# Allegro board rpi-cm4-carrierboard-v1_00-0a.brd (continued)
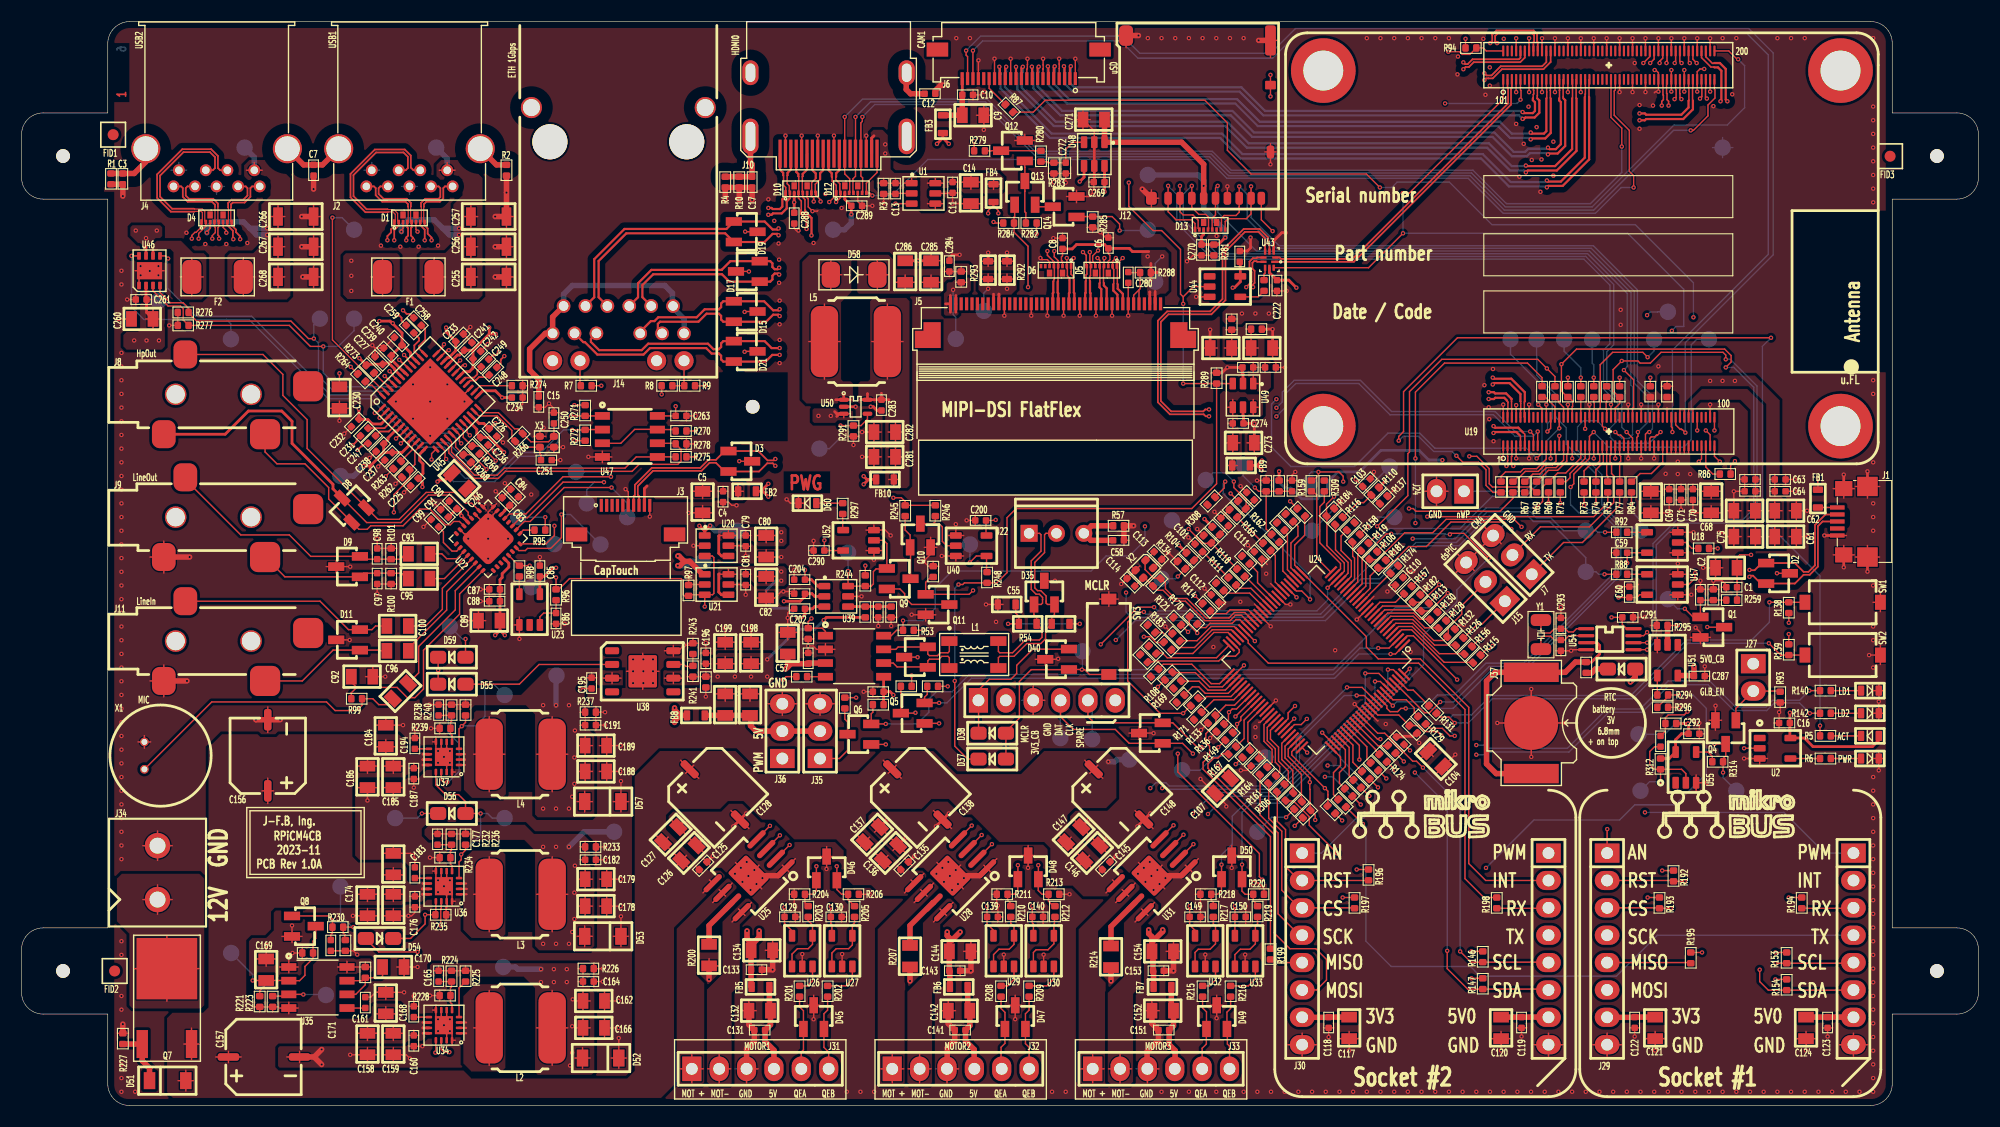
[diagram p0: board, top side]
## Routing (per net, layer and track width the routed paths; a pad name or vN(x,y) marks a point on that pad's centre or on a via; arc(x,y) is an arc through that point) (continued)
  TOP w0.127: U45.14 38.8,61.25 39.3,60.75 39.3,60.1 v1(39.4,60) ; v1(51,64) R271.1 U47.1
  BOTTOM w0.127: v1(39.4,60) 41.2,58.2 43.7,58.2 46.1,60.6 48.2,60.6 49.4,61.8 49.4,63.3 50.1,64 v1(51,64)
N33870: length 28
  TOP w0.127: U47.6 60.64,61.46 R278.2 61.2,60.9 61.2,59.8 60.9,59.5 57.3,59.5 56.65,58.85 44.9,58.85 44.25,58.2 42,58.2 39.65,60.55 39.65,61.15 39.18,61.62 U45.15
N33874: length 23.9
  TOP w0.127: U45.16 39.53,61.97 39.9,61.6 39.9,60.65 42.05,58.5 44.15,58.5 44.8,59.15 56,59.15 57.04,60.19 U47.5 59.01,60.2 R275.1
N34072: length 13.1
  TOP w0.127: R89.1 v1(157.4,51.7) ; U19.100 v1(157.1,62.65)
  SIG_INNER2 w0.127: v1(157.4,51.7) 157.1,52 v1(157.1,62.65)
N35185: length 9.8
  TOP w0.127: U45.24 42.35,64.8 42.85,64.3 44.25,64.3 45.75,62.8 46.06,62.8 R266.2 47.26,61.6 48.9,61.6 X3.1 C250.1
N35189: length 9.2
  TOP w0.127: C251.1 48.2,60.39 48.1,60.49 X3.3 46.35,61.1 R266.1 45.5,61.95 45.5,62.65 44.15,64 42.43,64 U45.23
N50697: length 43.5
  TOP w0.127: v1(28,70.45) 26.8,70.45 24.85,72.4 R277.2 15,72.9 15,73.95 14.75,74.2 13.6,74.2 12.2,75.6 U46.3 ; U45.20 41.34,62.97 41.34,62.46 v1(41.6,62.2)
  BOTTOM w0.127: TP35.1 30.86,71.91 29.4,70.45 v1(28,70.45) 28,68 29.3,66.7 35.1,66.7 39,62.8 41,62.8 v1(41.6,62.2)
N50727: length 53.9
  TOP w0.127: v1(44,59.85) 42.65,61.2 R269.1 40.99,62.01 40.99,62.61 U45.19 ; U46.8 v1(10.2,78.85)
  BOTTOM w0.127: TP34.1 19.43,72.52 19,72.95 ; v1(44,59.85) 44,59 43.5,58.5 41.8,58.5 39.2,61.1 36.9,61.1 32.4,65.6 28.45,65.6 21.1,72.95 19,72.95 ; v1(10.2,78.85) 10.2,74.1 11.35,72.95 19,72.95
N50819: length 46.8
  TOP w0.127: U46.5 13.35,78.85 v1(13.6,78.6) ; U45.17 40.28,61.91 40.28,61.12 R268.1 41.8,60.4 v1(43.15,59.05)
  BOTTOM w0.127: v1(13.6,78.6) 13.55,78.55 13.55,75.85 ; v1(43.15,59.05) 42.4,59.8 41.3,59.8 39.6,61.5 37.2,61.5 32.75,65.95 28.65,65.95 21.35,73.25 16.15,73.25 13.55,75.85 ; TP36.1 12.7,75 13.55,75.85
N50831: length 40
  TOP w0.127: U45.18 40.64,62.26 40.64,61.61 v1(40.8,61.45) ; U46.4 12.85,75.45 13.8,74.5 15,74.5 15.5,74 R276.2 15.5,73.55 16.25,72.8 25,72.8 26.62,71.17 v1(27.12,71.17)
  BOTTOM w0.127: TP37.1 27.12,72.47 v1(27.12,71.17) 27.55,70.75 27.55,67.7 28.95,66.3 34.9,66.3 38.8,62.4 39.85,62.4 v1(40.8,61.45)
N60225: length 6.2
  TOP w0.127: F2.1 15.8,78.65 ; F2.1 16.87,76.9 ; F2.1 15.8,75.15 ; F2.1 14.73,76.9
  TOP w0.254: U46.6 12.2,79.45
N60240: length 6.5
  TOP w0.127: F1.1 34.57,76.9 ; F1.1 32.43,76.9 ; F1.1 33.5,78.65 ; F1.1 33.5,75.15
  TOP w0.254: U46.7 11.55,79.65 11.5,79.7
  vias: v1(10.6,81.2) v1(11.55,80.5) v1(12.55,81.2) v1(30.6,78.4) v1(30.6,77) v1(30.6,75.6)
N112417: length 7.4
  TOP w0.127: R270.1 60.57,62.73 U47.7 58.98,62.75 56.9,62.75 55.61,61.46 U47.3
N1457101: length 2.4
  TOP w0.127: R7.1 51.82,66.88 J14.14
N1457441: length 3.4
  TOP w0.127: R8.2 R9.1 61.48,66.82 J14.16
N1460716: length 26.5
  TOP w0.508: J14.1 49.28,73.18 J14.7 48.61,71.66 47.15,70.2 47.15,68.25 48,67.4 C15.1
  BOTTOM w0.508: J14.12 61.5,71.68 61.5,73 60.46,74.04 J14.6 60.4,74.26 60.4,75.4 59.7,76.1 51.1,76.1 50.3,75.3 J14.1
N1463547: length 2.8
  TOP w0.127: R5.2 D16.1
N1465792: length 2.8
  TOP w0.127: R6.2 170.7,32.2
N1465804: length 2.8
  TOP w0.127: R6.1 166.41,32.2 U2.4
N1480866: length 1.5
  TOP w0.127: U22.25 46.25,53.1 46.55,53.4 R95.1
N1481772: length 3.6
  TOP w0.127: U22.10 40.38,51.45 39.95,51.45 39.15,52.25 39.15,53.25 C99.2
N1481776: length 3.6
  TOP w0.127: C93.2 39,51.2 39.45,50.75 40.39,50.75 U22.11
N1481780: length 4.4
  TOP w0.127: C95.2 39.25,48.9 U22.12
N1481784: length 9.6
  TOP w0.127: C100.1 37.5,44.5 39.05,46.05 39.05,48 U22.13
N1481788: length 10.7
  TOP w0.127: U22.14 39.45,47.69 39.45,45.98 35.9,42.43 C96.1
N1483323: length 1.7
  TOP w0.127: R98.2 U23.5
N1489419: length 3.6
  TOP w0.127: R96.2 C86.2 48.45,45.7 48.1,45.35 U23.3
N1490066: length 3.5
  TOP w0.127: U19.95 156.3,59.25 156.95,58.6 R86.2
N1504962: length 10.7
  TOP w0.127: 84.07,83.7 U1.4 ; U1.4 85.53,83.7 ; U1.4 84.8,83.22 ; FB4.1 90.85,85.5 ; FB4.1 90.2,85.02 ; FB4.1 90.2,85.98 ; FB4.1 89.55,85.5 ; U1.6 84.8,86.08 ; U1.6 85.53,85.6 ; U1.6 84.07,85.6 ; C14.1 88.1,86.38 ; C14.1 87.2,85.7 ; C14.1 88.1,85.02 ; C14.1 89,85.7 ; C11.2 86.88,85.7 ; C11.2 85.92,85.7 ; C11.2 86.4,86.18
N1516660: length 1.2
  TOP w0.127: U43.8 115.4,77.25 115.3,77.15 R261.1
N1527044: length 5.2
  TOP w0.127: R84.2 149.45,57.9 150.2,58.65 151.25,58.65 152.3,59.7 U19.75
N1543639: length 5.6
  TOP w0.127: J5.36 103.7,75.7 ; 103.7,75.7 103.8,75.8 R288.2 102.75,77.3 C280.2 ; 103.7,75.7 103.2,75.2 J5.35
N1563208: length 12.9
  TOP w0.127: 111.62,70.3 C277.1 ; C277.1 112.3,69.4 ; C277.1 112.3,71.2 ; C277.1 112.98,70.3 ; R286.2 112.83,72 ; R286.2 111.77,72 ; R286.2 112.3,71.52 ; C275.2 114.78,68.5 ; C275.2 114.3,68.02 ; C275.2 114.3,68.98 ; 114.1,71.52 R287.2 113.62,72.05 ; 114.3,67.73 U49.1 114.78,67 ; C276.2 115.4,68.98 ; C276.2 115.4,68.02 ; C276.2 114.92,68.5 ; C279.1 114.1,71.2 ; C279.1 113.42,70.3 ; C279.1 114.1,69.4 ; C279.1 114.78,70.3
N1563658: length 10.7
  TOP w0.127: 111.87,59.4 FB9.2 ; FB9.2 112.35,58.75 ; FB9.2 112.35,60.05 ; FB9.2 112.83,59.4 ; C273.1 113.08,61.5 ; C273.1 112.4,60.6 ; C273.1 111.72,61.5 ; C273.1 112.4,62.4 ; U49.6 114.78,64.8 ; U49.6 114.3,64.07 ; U49.6 114.3,65.53 ; 112.4,64.07 U49.4 ; U49.4 111.92,64.8 ; U49.4 112.4,65.53 ; C274.2 112.4,63.78 ; C274.2 112.4,62.82 ; C274.2 111.92,63.3
N1566337: length 22.2
  TOP w0.127: 80.42,60.2 C281.1 ; C281.1 81.78,60.2 ; C281.1 81.1,59.3 ; C281.1 81.1,61.1 ; C282.1 81.78,62.5 ; C282.1 81.1,63.4 ; C282.1 80.42,62.5 ; C282.1 81.1,61.6 ; 80.35,67.42 L5.1 ; L5.1 81.8,70.9 ; L5.1 80.35,74.38 ; L5.1 78.9,70.9 ; 80.95,57.45 FB10.2 ; FB10.2 80.95,58.75 ; FB10.2 80.47,58.1 ; FB10.2 81.43,58.1
  TOP w0.254: 79.8,66.1 C283.2 ; C283.2 U50.5 ; C283.2 80.5,65.5 ; 78.5,66.05 U50.5 ; U50.5 77.87,65.5
N1566627: length 16.5
  TOP w0.127: 74.51,67.42 L5.2 ; L5.2 73.06,70.9 ; L5.2 74.51,74.38 ; L5.2 75.96,70.9 ; 74.07,77.1 D58.1 ; D58.1 76.13,77.1 ; D58.1 75.1,75.72 ; D58.1 75.1,78.48
  TOP w0.254: 75.55,65.5 U50.1 ; U50.1 76.3,66 ; U50.1 76.93,65.5
N1567374: length 14.1
  TOP w0.127: D58.2 79.42,78.48 ; D58.2 80.45,77.1 ; D58.2 79.42,75.72 ; D58.2 78.39,77.1 ; C285.1 85.3,76.4 ; C285.1 84.4,75.72 ; C285.1 83.5,76.4 ; C285.1 84.4,77.08 ; 85.62,77.4 C284.2 ; C284.2 86.58,77.4 ; C284.2 86.1,76.92 ; R290.2 87.73,77.4 ; R290.2 86.67,77.4 ; R290.2 87.2,77.88 ; 81.1,76.4 C286.1 ; C286.1 82.9,76.4 ; C286.1 82,77.08 ; C286.1 82,75.72
N1589492: length 8.8
  TOP w0.127: C4.2 65.1,57.48 ; C4.2 64.62,57 ; C4.2 65.58,57 ; 66.02,57 FB2.1 ; FB2.1 66.98,57 ; FB2.1 66.5,56.35 ; FB2.1 66.5,57.65 ; C5.1 63.2,57.68 ; C5.1 62.3,57 ; C5.1 64.1,57 ; C5.1 63.2,56.32
  TOP w0.254: J3.9 57.8,57.25 58.05,57.5
N1590951: length 5.6
  TOP w0.127: R280.1 95.16,87.6 95.26,87.5 R283.1 C272.1 96.9,88.75 97.55,89.4 U48.3
N1591752: length 1.7
  TOP w0.127: Q14.3 94.25,83.41 Q13.2
N1592965: length 5.8
  TOP w0.127: R282.1 93.2,82.85 93.1,82.95 93.1,84.85 93.11,84.86 Q13.3 93.11,87.06 93.1,87.07 Q12.1
N1593115: length 5.2
  TOP w0.127: R279.1 89.95,88.6 89.96,88.61 Q12.3 94.05,88.61 94.06,88.6 R280.2
N1597435: length 88.3
  TOP w0.127: v1(156.3,62.65) 156.7,62.25 U19.97 ; v1(126.05,85.2) 124.8,86.45 114.1,86.45 111.9,88.65 111.9,91.2 109.8,93.3 95,93.3 93.89,92.19 R87.2
  SIG_INNER2 w0.127: v1(155.15,73.15) 155.15,65.3 156.3,64.15 v1(156.3,62.65)
  BOTTOM w0.127: v1(155.15,73.15) 155.15,76.35 149.75,81.75 136.45,81.75 132.5,85.7 127.65,85.7 127.15,85.2 v1(126.05,85.2)
N1609412: length 6.6
  TOP w0.127: R61.2 137.3,58.39 137.71,58.8 139.1,58.8 139.4,59.1 140.6,59.1 141.5,60 U19.21
N1617512: length 4.5
  TOP w0.127: R166.2 113.97,33.04 113.97,33.6 113.8,33.77 113.8,35.55 U24.62
N1628548: length 2.1
  TOP w0.127: U18.2 154.45,52.25 155,51.7 R89.2
N1628552: length 1.9
  TOP w0.127: R92.1 U18.4
N1630350: length 1.8
  TOP w0.127: J1.5 167.63,55.5 FB1.1
N1631796: length 17.4
  TOP w0.127: U19.92 v1(155.5,62.65) ; U17.2 154.7,48.35 155.3,48.95 v1(155.3,49.4)
  SIG_INNER2 w0.127: v1(155.5,62.65) 155.5,61.5 155,61 155,59.4 155.65,58.75 155.65,52.8 155.3,52.45 v1(155.3,49.4)
N1633388: length 10.4
  TOP w0.127: 41.95,7.2 L2.1 ; L2.1 43.4,3.72 ; L2.1 43.4,10.68
  TOP w0.2: U34.3 41.25,7.7 ; 41.25,7.2 U34.2 ; U34.1 41.25,6.7
N1646289: length 5.9
  TOP w0.127: Q4.1 159.09,36.85 J27.2 163.14,38.46 R93.1
N1652499: length 1.9
  TOP w0.127: R88.1 U17.4
N1661515: length 14.4
  TOP w0.127: D40.2 97.19,42.35 93.85,42.35 92.35,40.85 92.35,40.1 91.8,39.55 89.8,39.55 88.8,38.55 J28.1 88.81,37.59 D38.2
N1661596: length 2.4
  TOP w0.127: R261.2 114.75,75.05 U44.4
N1664018: length 4
  TOP w0.254: R249.1 C201.1 R247.1 U39.4
N1664704: length 1.4
  TOP w0.127: U34.9 C168.2
N1666345: length 4
  TOP w0.127: C165.1 R224.1 39.9,11 39.8,10.9 R228.2 39.8,9.55 39.95,9.4 U34.5
N1668031: length 5
  TOP w0.127: v1(88,50.4) 88.6,51 U40.4 89.55,49.55 R248.1
  BOTTOM w0.127: v1(88,50.4) 88,51.11 88.01,51.12 TP10.1
N1668719: length 10.5
  TOP w0.127: 41.95,19.6 L3.1 ; L3.1 43.4,23.08 ; L3.1 43.4,16.12
  TOP w0.2: U36.1 41.3,19.6 ; U36.3 41.25,20.6 ; 41.3,20.1 U36.2
N1668789: length 1.7
  TOP w0.127: U15.4 72.91,39.79 R55.2
N1669267: length 3.9
  TOP w0.127: C177.1 R232.1 39.9,23.7 39.8,23.6 R234.2 39.8,22.4 39.95,22.25 U36.5
N1669411: length 1.3
  TOP w0.127: C183.2 U36.9
N1669891: length 6
  TOP w0.127: R245.2 82,53.4 82.46,52.94 82.46,51.8 82.5,51.76 Q9.3
N1669929: length 6.6
  TOP w0.127: Q9.2 81.51,47.94 81.95,47.5 81.95,47.15 82.6,46.5 86.09,46.5 Q11.3
N1670581: length 11.5
  TOP w0.127: 43.4,29.12 L4.1 ; L4.1 41.95,32.6 ; L4.1 43.4,36.08 ; L4.1 44.85,32.6
  TOP w0.2: U37.3 41.15,32.6 ; U37.1 41.15,31.6 ; 41.15,32.1 U37.2
N1671018: length 5.7
  TOP w0.127: R246.2 84.8,54.2 84.6,54 ; 84.6,54 85.15,54 85.45,53.7 85.45,52.35 85.85,51.95 U40.2 ; 84.6,54 Q10.3
N1671129: length 3.8
  TOP w0.127: C192.1 R238.1 39.9,35.65 39.8,35.55 R239.2 39.8,34.5 39.95,34.35 U37.5
N1671273: length 1.3
  TOP w0.127: C194.2 U37.9
N1677258: length 3
  TOP w0.127: U38.7 61.47,40.93 61.65,40.75 62.25,40.75 R241.1 R243.2
N1679934: length 6.8
  TOP w0.127: U24.72 117.25,33.35 117.25,32.25 118.77,30.73 118.77,28.24 R163.2
N1682607: length 2.8
  TOP w0.127: R142.2 170.7,36.4
N1682883: length 2.8
  TOP w0.127: R140.2 170.7,38.5
N1695805: length 2.4
  TOP w0.127: R297.2 73.75,55.9
N1695881: length 1.5
  TOP w0.127: R297.1 76.2,53.45 U52.4
N1699041: length 5.5
  TOP w0.508: D51.1 11.88,3.47 11.2,4.14 Q7.1 R227.2
N1722142: length 1.7
  TOP w0.127: U35.5 31.89,9.04 C171.1
N1725311: length 7
  TOP w0.127: U35.6 31.01,10.31 31.9,11.2 R222.1 ; R222.1 33.35,11.85 33.5,12 C170.1 ; R222.1 31.63,11.58 U35.7
N1728539: length 15.1
  TOP w0.127: C169.1 v1(21.45,11.6) ; C169.1 24.78,11.6 U35.2 25.8,11.58 26.3,12.08 26.3,12.9 27.05,13.65 R229.2 27.05,15.25 27.3,15.5 Q8.3 ; C169.1 22.7,11.25 22.1,10.65 R221.1
  BOTTOM w0.127: v1(21.45,11.6) 21.45,12.15 TP19.1
N1738779: length 5.9
  TOP w0.127: C172.2 28.7,15.85 28.85,16 R230.2 28.85,17.3 28.56,17.59 Q8.1
N1779373: length 10.5
  TOP w0.127: 92.25,46.5 C55.2 92.25,45.7 92.55,45.4 R54.2 v1(91.55,44.7) ; 97.25,44.7 v1(98.2,44.7)
  BOTTOM w0.127: v1(98.2,44.7) v1(91.55,44.7)
N1801148: length 125.2
  TOP w0.127: v1(30.8,16.55) R230.1 29.85,16 30,15.85 30,15.4 R231.2 ; U24.31 v1(118.32,47.17)
  SIG_INNER2 w0.127: v1(30.8,16.55) 31.7,17.45 31.7,39.75 36.5,44.55 41.95,44.55 43.8,42.7 59.65,42.7 60.75,41.6 66.95,41.6 68.6,43.25 77.25,43.25 77.6,42.9 93.05,42.9 94.2,44.05 101.95,44.05 103.55,42.45 105.05,42.45 108,45.4 115.3,45.4 117.07,47.17 v1(118.32,47.17)
  BOTTOM w0.127: TP62.1 29.6,20.31 29.6,17.65 30.7,16.55 v1(30.8,16.55)
N1805591: length 1.8
  TOP w0.127: U51.4 R294.2
N1805595: length 145.9
  TOP w0.127: D59.1 v1(41.2,43.3) ; v1(153.8,38.1) R294.1 152.8,37.95 R296.1
  SIG_INNER2 w0.127: v1(41.2,43.3) 41.95,43.3 43.25,42 51.15,42 73.95,19.2 111.2,19.2 114.15,22.15 120.4,22.15 121.15,22.9 135.05,22.9 v1(135.9,22.05)
  BOTTOM w0.127: v1(135.9,22.05) 140.35,26.5 148.3,26.5 149.7,27.9 153.45,27.9 156.35,30.8 156.35,36.85 155.1,38.1 v1(153.8,38.1) ; v1(41.2,43.3) 40.9,43.3 TP63.1
N1829775: length 5.7
  TOP w0.127: Y1.2 141,44 141.15,43.85 141.85,43.85 142.25,44.25 C293.2 143.25,44.25 143.55,43.95 144,43.95 144.3,44.25 U54.1
N1829787: length 5.6
  TOP w0.127: U54.2 143.6,43.6 143.2,43.2 C295.2 142.25,43.2 141.9,43.55 141.2,43.55 141,43.35 Y1.1
N1836528: length 19.9
  TOP w0.127: v1(154.6,36.55) 154.3,36.25 152.81,36.25 152.55,35.99 R313.1 152.55,34.75 C294.1 ; v1(150.85,43.92) 150.53,43.6 U54.7
  SIG_INNER2 w0.127: v1(154.6,36.55) 154.6,40.17 v1(150.85,43.92)
  BOTTOM w0.127: v1(154.6,36.55) 152.5,34.45 TP15.1
N1837103: length 10.3
  TOP w0.127: R312.1 151.55,31.2 151.1,31.65 151.1,32.85 151.55,33.3 C294.2 ; R312.1 154.05,31.2 154.45,30.8 U55.2 ; R312.1 v1(152.1,30.05)
  BOTTOM w0.127: TP16.1 151.08,30.05 v1(152.1,30.05)
N1837525: length 2.2
  TOP w0.127: U55.4 156.5,32.8 156.9,32.4 R314.1
N1839918: length 25.9
  TOP w0.254: R315.2 145.7,41.15 146.45,41.9 146.45,42.7 146.2,42.95 U54.3
  TOP w0.508: R315.2 144.2,41.15 143.25,40.2 J37.1 136.75,40.2 135.95,39.4 135.95,31.7 136.85,30.8 J37.2
N1840337: length 2.2
  TOP w0.508: D61.2 147.2,40.51 146.06,40.51 145.7,40.15 R315.1
N1856740: length 7.1
  TOP w0.127: U24.48 111.97,43.9 110.65,43.9 108.7,41.95 107.05,41.95 R122.2
N1857222: length 4.4
  TOP w0.127: U24.55 112.24,37.95 109.97,37.95 109.8,37.77 109.24,37.77 R123.2
N1857463: length 54.7
  TOP w0.127: U24.3 127.72,43.27 126.9,42.45 v1(125.9,42.45) ; R190.2 79,36.5 78.85,36.35 Q6.2 v1(80.2,35.41)
  BOTTOM w0.127: v1(125.9,42.45) 124.2,42.45 121.75,40 87.95,40 86.35,38.4 84.9,38.4 84.2,37.7 84.2,36.5 83.11,35.41 v1(80.2,35.41)
N1857568: length 48.4
  TOP w0.127: v1(85.15,37.36) Q5.2 83.8,37.9 84.05,38.15 R177.2 ; U24.1 127.5,41.9 v1(127.05,41.9)
  BOTTOM w0.127: v1(127.05,41.9) 124.1,41.9 121.85,39.65 88.15,39.65 85.86,37.36 v1(85.15,37.36)
N1925760: length 51.7
  TOP w0.127: R122.1 105.96,42.96 105.28,42.96 104.75,43.5 v1(104.15,43.5) ; v1(140.55,55.45) 141.15,56.05 141.15,57.4 141.65,57.9 R60.2 141.75,57.9 142.55,58.7 143.3,58.7 144.7,60.1 U19.37
  SIG_INNER2 w0.127: v1(129.1,52.6) 127.85,52.6 122.6,47.35 120.25,47.35 119.9,47.7 116.95,47.7 115.1,45.85 106.5,45.85 v1(104.15,43.5)
  BOTTOM w0.127: v1(129.1,52.6) 133.05,52.6 135.9,55.45 v1(140.55,55.45)
N1925772: length 64.2
  TOP w0.127: R108.2 106.84,40.17 108.93,40.17 110.25,38.85 111.44,38.85 U24.52 v1(113.44,40.85) ; R68.1 142.3,67.65 v1(141.55,68.4) 140.7,69.25 131.8,69.25 128.8,66.25 128.8,60.65 128.65,60.5 128.65,56.6 v1(125.8,53.75)
  SIG_INNER2 w0.127: v1(113.44,40.85) 114.95,40.85 119.8,45.7 122.2,45.7 128.6,52.1 129.35,52.1 129.75,52.5 129.75,53.05 129.5,53.3 128.9,53.3 128.17,54.03 126.08,54.03 v1(125.8,53.75)
N1925792: length 64.3
  TOP w0.127: U19.28 v1(142.7,62.85) ; R123.1 v1(107.8,36.4) 105.65,36.4 102.65,39.4 102.65,44.85 103.6,45.8 v1(104.15,45.8)
  BOTTOM w0.127: v1(104.15,45.8) 104.35,45.6 120.55,45.6 125.05,50.1 125.05,51.65 126.95,53.55 133.5,53.55 136.5,56.55 139.6,56.55 141.45,58.4 141.45,61.6 v1(142.7,62.85)
N1928345: length 10.4
  TOP w0.127: R162.1 115.5,53.5 R186.2 ; R186.2 R152.2 C116.1 ; R186.2 114.8,57 v1(114.45,57.35)
  BOTTOM w0.127: TP54.1 113.35,58.45 v1(114.45,57.35)
N1929076: length 4.2
  TOP w0.127: R162.2 117.05,51.95 117.05,49.6 117.98,48.67 U24.29
N1930230: length 6.1
  TOP w0.127: U24.22 122.36,48.66 123.1,49.4 123.1,50.4 121.94,51.56 121.94,53.86 R116.1
N1930234: length 10.3
  TOP w0.127: R110.1 C103.1 v1(123.8,58.1) ; R110.1 124.55,55.95 124,55.95 122.66,54.61 R116.2 ; R110.1 R137.1
  BOTTOM w0.127: TP52.1 125.75,58.1 v1(123.8,58.1)
N1932667: length 10.2
  TOP w0.127: C102.1 111.21,53.01 R105.2 110.41,52.2 R135.1 ; R118.1 R135.1 ; R135.1 110.36,52.16 109.64,52.16 v1(108.3,53.5)
  BOTTOM w0.127: TP56.1 107.55,53.5 v1(108.3,53.5)
N1932721: length 3.5
  TOP w0.127: U24.36 113.56,49.09 R118.2
N1933298: length 11.9
  TOP w0.127: C115.1 113.61,55.41 R151.2 ; R151.2 R185.2 R165.1 ; R151.2 113.64,55.43 113.64,56.21 112.5,57.35 v1(112.5,57.9)
  BOTTOM w0.127: TP53.1 110.57,58.72 111.68,58.72 v1(112.5,57.9)
N1933346: length 4.2
  TOP w0.127: U24.32 116.35,48.57 116.35,51.05 R165.2
N1936579: length 3.8
  TOP w0.127: 115.71,46.38 114.09,48 113,48 R111.2
N1938060: length 8.3
  TOP w0.127: R111.1 C101.1 109.6,51.39 R104.2 108.79,50.59 R134.1 v1(107.3,49.1)
  BOTTOM w0.127: v1(107.3,49.1) 107.09,48.9 TP55.1
N1945873: length 5.1
  TOP w0.127: U24.78 122.85,33.02 122.85,31.45 122.3,30.9 122.3,29.9 R127.2
N1945979: length 4.1
  TOP w0.127: R117.2 123.55,31.85 123.55,33.45 U24.80
N1946085: length 3.9
  TOP w0.127: U24.82 124.85,33.28 124.85,32.15 R120.2
N1946191: length 4.4
  TOP w0.127: R103.2 123.2,30.6 123.2,33.23 U24.79
N1947515: length 3.9
  TOP w0.127: R125.2 126.76,33.37 125.89,33.37 U24.84
N1947521: length 3.6
  TOP w0.127: U24.83 125.65,33.05 125.65,32.95 R124.2
N1964678: length 4.6
  TOP w0.127: U24.20 122.93,48.08 123.7,48.85 123.7,50.8 123.53,50.97 123.53,52.26 R158.2
N1964682: length 8.4
  TOP w0.127: U24.25 120.2,50.8 120.2,56.65 119.85,57 R159.2
N1994509: length 7.3
  TOP w0.127: U24.6 127.52,44.75 129.1,44.75 131.12,42.73 133.06,42.73 R126.2
N1998149: length 5.9
  TOP w0.127: R128.2 131.46,44.33 130.22,44.33 129.15,45.4 127.05,45.4 126.33,44.68 U24.8
N1999192: length 8.8
  TOP w0.127: U24.4 128.05,44.15 129,44.15 132.02,41.13 134.66,41.13 R115.2
N1999371: length 8
  TOP w0.127: U24.5 127.79,44.45 129.05,44.45 131.57,41.93 133.86,41.93 R156.2
N2001174: length 5.2
  TOP w0.127: U24.9 126.77,45.7 129.2,45.7 129.77,45.13 130.66,45.13 R130.2
N2004201: length 3.8
  TOP w0.127: U24.12 125.19,45.84 126.05,46.7 127.5,46.7 R157.2
N2004747: length 3.9
  TOP w0.127: R174.2 125.01,47.36 125.01,47.32 U24.15
N2012235: length 6.1
  TOP w0.127: U24.71 116.95,33.61 116.95,32.1 117.97,31.08 117.97,29.04 R173.2
N2012968: length 4.2
  TOP w0.127: U24.19 123.21,47.81 124,48.6 124,51.2 R119.2
N2015022: length 4.9
  TOP w0.127: U24.28 118.26,48.94 117.47,49.73 117.47,53.06 R112.2
N2015506: length 4.3
  TOP w0.127: R172.2 114.7,49.5 114.7,48.52 U24.35
N2017601: length 4.8
  TOP w0.127: R114.2 110.55,45.65 111.8,45.65 112.15,46 113.83,46 U24.41
N2018000: length 5.4
  TOP w0.127: R170.2 109.45,44.35 109.9,44.35 110.3,44.75 112.35,44.75 112.7,45.1 113.05,45.1 113.73,44.42 U24.44
N2020042: length 9.4
  TOP w0.127: R121.2 v1(108.25,43.95) ; U24.45 113.45,44.1 v1(114.45,43.1)
  BOTTOM w0.127: v1(114.45,43.1) 112.95,44.6 108.9,44.6 v1(108.25,43.95)
N2028777: length 5.4
  TOP w0.127: R164.2 116.05,31.85 116.05,33.05 115.3,33.8 115.3,35.36 U24.65
N2028865: length 6.1
  TOP w0.127: U24.66 115.6,35.09 115.6,33.85 116.35,33.1 116.35,31.85 116.75,31.45 116.75,30.95 R161.2
N2029031: length 3.8
  TOP w0.127: U24.98 127.75,39.45 128.65,38.55 129.15,38.55 R131.2
N2029037: length 4.2
  TOP w0.127: R129.2 129.25,36.45 129.25,36.9 128.5,37.65 127.27,37.65 U24.94
N2029599: length 4.8
  TOP w0.127: 114.86,37.18 113.45,35.77 113.45,34.05 R167.2
N2033331: length 6
  TOP w0.127: U24.21 122.66,48.36 123.4,49.1 123.4,50.55 122.45,51.5 122.45,52.85 R102.2
N2033399: length 10.1
  TOP w0.127: U24.49 112.32,42.98 113,42.3 113,42.05 112.65,41.7 111.55,41.7 111.1,41.25 105.17,41.25 105.1,41.18 104.54,41.18 R168.2
N2033465: length 5.7
  TOP w0.127: R169.2 107.64,39.37 109.28,39.37 110.1,38.55 111.7,38.55 U24.53
N2033531: length 4.8
  TOP w0.127: R171.2 110.65,37.65 112.5,37.65 113.45,38.6 U24.56
N2033597: length 5.6
  TOP w0.127: R175.2 121.75,28.85 121.75,30.9 122.4,31.55 122.4,32.34 U24.76
N2041263: length 6.9
  TOP w0.127: J35.1 75.9,32.2 76.65,32.95 Q6.3 76.65,35.6 76.4,35.85 R189.2
N2041275: length 18
  TOP w0.127: R176.2 81.6,36.41 Q5.3 82.91,36.41 v1(82.95,36.45)
  SIG_INNER2 w0.127: v1(82.95,36.45) 78.7,36.45 75.72,33.48 72.12,33.48 70.85,32.2 J36.1
N2041646: length 5.8
  TOP w0.127: R303.2 118.45,53.75 118.45,52.85 117.8,52.2 117.8,49.9 118.49,49.21 U24.27
N2041706: length 7.8
  TOP w0.127: U24.51 111.17,39.15 110.4,39.15 108.6,40.95 105.95,40.95 R304.2
N2041766: length 5.9
  TOP w0.127: R305.2 108.65,38.85 109.25,38.85 109.85,38.25 111.97,38.25 U24.54
N2106043: length 6.8
  TOP w0.127: R306.2 117.55,30.15 117.55,31.05 116.65,31.95 116.65,33.25 115.9,34 115.9,34.82 U24.67
N2114099: length 7.4
  TOP w0.127: U24.50 110.89,41.55 106.32,41.55 105.9,41.98 105.34,41.98 R307.2
N2122347: length 18.9
  TOP w0.127: v1(119.58,46.98) 118.8,47.75 118.3,47.75 U24.30 ; R308.2 111.6,57.3 111.6,57.8 v1(111.7,57.9)
  BOTTOM w0.127: v1(111.7,57.9) 111.5,57.7 111.5,56.8 112.3,56 112.7,56 119.58,49.12 v1(119.58,46.98)
N2122407: length 9
  TOP w0.127: R309.2 120.9,56 120.48,55.58 120.48,52.22 122.4,50.3 122.4,49.8 121.81,49.21 U24.24
N2122467: length 9.2
  TOP w0.127: R310.2 105.91,43.89 107.3,42.5 108.85,42.5 110.5,44.15 112.28,44.15 112.89,43.55
N2188449: length 4.6
  TOP w0.127: U24.38 113.97,47.55 111.8,47.55 R160.2

## Copper pours and planes (outline as drawn; the poured copper is in the pictures)
1V0_CB on TOP: 62.65,40.4 59.65,40.4 59.55,40.3 59.55,39.1 59.65,39 62.9,39 63.15,39.25 69.55,39.25 69.8,39.5 69.8,41.75 69.55,42 64.65,42 64.2,41.55 63.05,41.55 62.85,41.35 62.85,40.6
1V0_CB on POW_INNER3: 34.1,73.5 34.95,72.65 38,72.65 39,71.65 39.9,71.65 41.45,73.2 43.7,73.2 44.9,72 44.9,71.45 43.62,70.17 43.62,69.67 43.3,70 43.3,62.95 43.7,62.55 45.45,62.55 46.5,61.5 46.5,61.05 45.25,59.8 44.75,59.8 43.45,61.1 42.25,61.1 39.65,58.5 39.65,57.85 39.15,57.35 38.3,57.35 37.58,58.08 36.83,58.08 36.35,57.6 36.35,56.35 36.75,55.95 37.4,55.95 38.55,54.8 38.55,50.15 42.75,45.95 42.75,43.45 43.4,42.8 45.35,42.8 46.3,43.75 59.7,43.75 61.45,45.5 69.1,45.5 69.8,44.8 69.8,39.5 67.05,36.75 55.3,36.75 53.1,38.95 33,38.95 31.65,40.3 31.65,57.6 30.65,58.6 30.65,59.65 31.2,60.2 31.4,60.2 36.2,65 36.2,68.5 32.45,72.25 32.45,73.1 32.85,73.5
1V8_CB on TOP: 64.8,50.05 70.75,50.05 71,49.8 71,48.45 70.75,48.2 68.25,48.2 67.7,48.75 67,48.75 66.95,48.8 64.8,48.8 64.6,49 64.6,49.85
1V8_CB on TOP: 48.85,40.6 53.75,40.6 53.95,40.4 55.8,40.4 55.8,39 53.5,39 53.35,39.15 52.45,39.15 52.25,38.95 52.25,37.7 52.75,37.2 52.75,34.75 53.15,34.35 53.15,27 52.9,26.75 47.9,26.75 47.65,27 47.65,36.3 46.8,37.15 42.05,37.15 41.6,36.7 38.4,36.7 38.25,36.55 37.45,36.55 37.2,36.8 37.2,37.75 37.55,38.1 46.35,38.1
1V8_CB on BOTTOM: 68,49.9 70.8,49.9 71.2,49.5 71.2,48.2 69.8,46.8 69.8,42.9 67.5,40.6 63,40.6 58.6,36.2 47.9,36.2 47.2,36.9 47.2,37.8 47.9,38.5 58.5,38.5 62.2,42.2 66.4,42.2 67.6,43.4 67.6,49.5
1V8_CM4 on TOP: 160.05,51.7 161.65,51.7 161.65,65 160.15,66.5 155.95,66.5 154.65,65.2 154.65,63.3 155.15,63.3 155.15,64.9 155.75,65.5 159.5,65.5 160.45,64.55 160.45,56.55 160.05,56.15
1V8_CODEC on TOP: 45.65,57.75 46.25,58.35 46.7,58.35 48.05,57 48.05,56.6 46.65,55.2 45.6,55.2 45.35,54.95 44.95,54.95 44.4,54.4 44.05,54.75 44.65,55.35 44.65,55.85 45.85,57.05 45.85,57.55
1V8_CODEC on POW_INNER3: 60.1,51.6 60.1,49.8 60.5,49.4 65.3,49.4 66.65,50.75 66.65,55.5 65.55,56.6 48.45,56.6 46.7,58.35 46.25,58.35 44.9,57 44.9,56.55 46.55,54.9 64.25,54.9 64.85,54.3 64.85,52.55 64.25,51.95 60.45,51.95
3V3_CB on TOP: 123.95,45.95 124.2,45.7 125.45,46.95 127.05,46.95 128.4,48.3 127.45,49.25 126.5,48.3 126.25,48.3 123.95,46
3V3_CB on TOP: 110.4,46.7 111.15,47.45 111.8,46.8 112.15,46.8 112.65,47.3 114,47.3 115.9,45.4 115.55,45.05 114.25,46.35 114,46.35 113.9,46.25 112.1,46.25 111.7,45.85 111.25,45.85
3V3_CB on TOP: 52.75,24.55 52.75,22.25 53.15,21.85 53.15,14.8 52.75,14.4 48.05,14.4 47.65,14.8 47.65,23.65 46.65,24.65 37.85,24.65 37.4,25.1 37.4,25.6 37.85,26.05 46.7,26.05 47.55,25.2 52.1,25.2
3V3_CB on TOP: 114.35,50.65 115.15,51.45 116.1,50.5 116.1,48.55 117.6,47.05 117.3,46.75 116,48.05 115.6,48.05 115,48.65 115,50
3V3_CB on TOP: 64.6,53.45 64.6,52.55 64.75,52.4 67.85,52.4 68.35,51.9 70.75,51.9 71,52.15 71,53.5 70.8,53.7 64.85,53.7
3V3_CB on TOP: 116.2,37 116.4,36.8 116.4,36.75 114.95,35.3 114.95,33.7 115.65,33 115.65,32.25 114.85,31.45 114,32.3 114.55,32.85 114.55,33.2 114.05,33.7 114.05,35.4 114.55,35.9 115,35.9 116.1,37
3V3_CB on TOP: 124.2,37.1 124.4,37.3 124.5,37.3 125.9,35.9 127.2,35.9 128.4,34.7 128.8,34.7 129.2,35.1 129.6,35.1 130.6,34.1 130.95,34.1 131.9,33.15 131.9,32.8 130.6,31.5 130.25,31.5 129.35,32.4 129.35,33.15 128.5,34 128.2,34 127.85,33.65 127.5,33.65 125.4,35.75 125.4,35.85 124.2,37.05
3V3_CB on POW_INNER3: 171.6,100 172.57,99.64 173,98.7 173,91.5 179.6,91.5 180.55,91.11 181,90.2 181,86.1 180.6,85.19 179.7,84.75 173,84.75 173,15.85 179.7,15.85 180.58,15.43 181,14.55 181,10.45 181,10.43 180.61,9.49 179.68,9.1 179.65,9.1 173,9.1 173,1.95 172.62,1.02 171.7,0.6 9.85,0.6 8.98,0.98 8.6,1.85 8.6,9.1 1.85,9.1 0.96,9.53 0.6,10.45 0.6,10.5 0.6,14.45 0.6,14.47 1,15.45 1.97,15.85 2,15.85 8.6,15.85 8.6,84.8 1.95,84.8 1.92,84.8 0.99,85.19 0.6,86.12 0.6,86.15 0.6,90.1 0.6,90.12 1,91.1 1.97,91.5 2,91.5 8.6,91.5 8.6,98.5 8.99,99.54 10,100 ; 10 cut-outs
3V3_CM4 on TOP: 153.85,63.35 154.35,63.35 154.35,65.25 155.85,66.75 160.25,66.75 161.9,65.1 161.9,51.7 163.55,51.7 163.55,56.25 163.15,56.65 163.15,65.45 160.85,67.75 152.15,67.75 152.05,67.65 152.05,66.4 152.15,66.3 153.5,66.3 153.85,65.95
